# KiCad board pcb.kicad_pcb (continued)
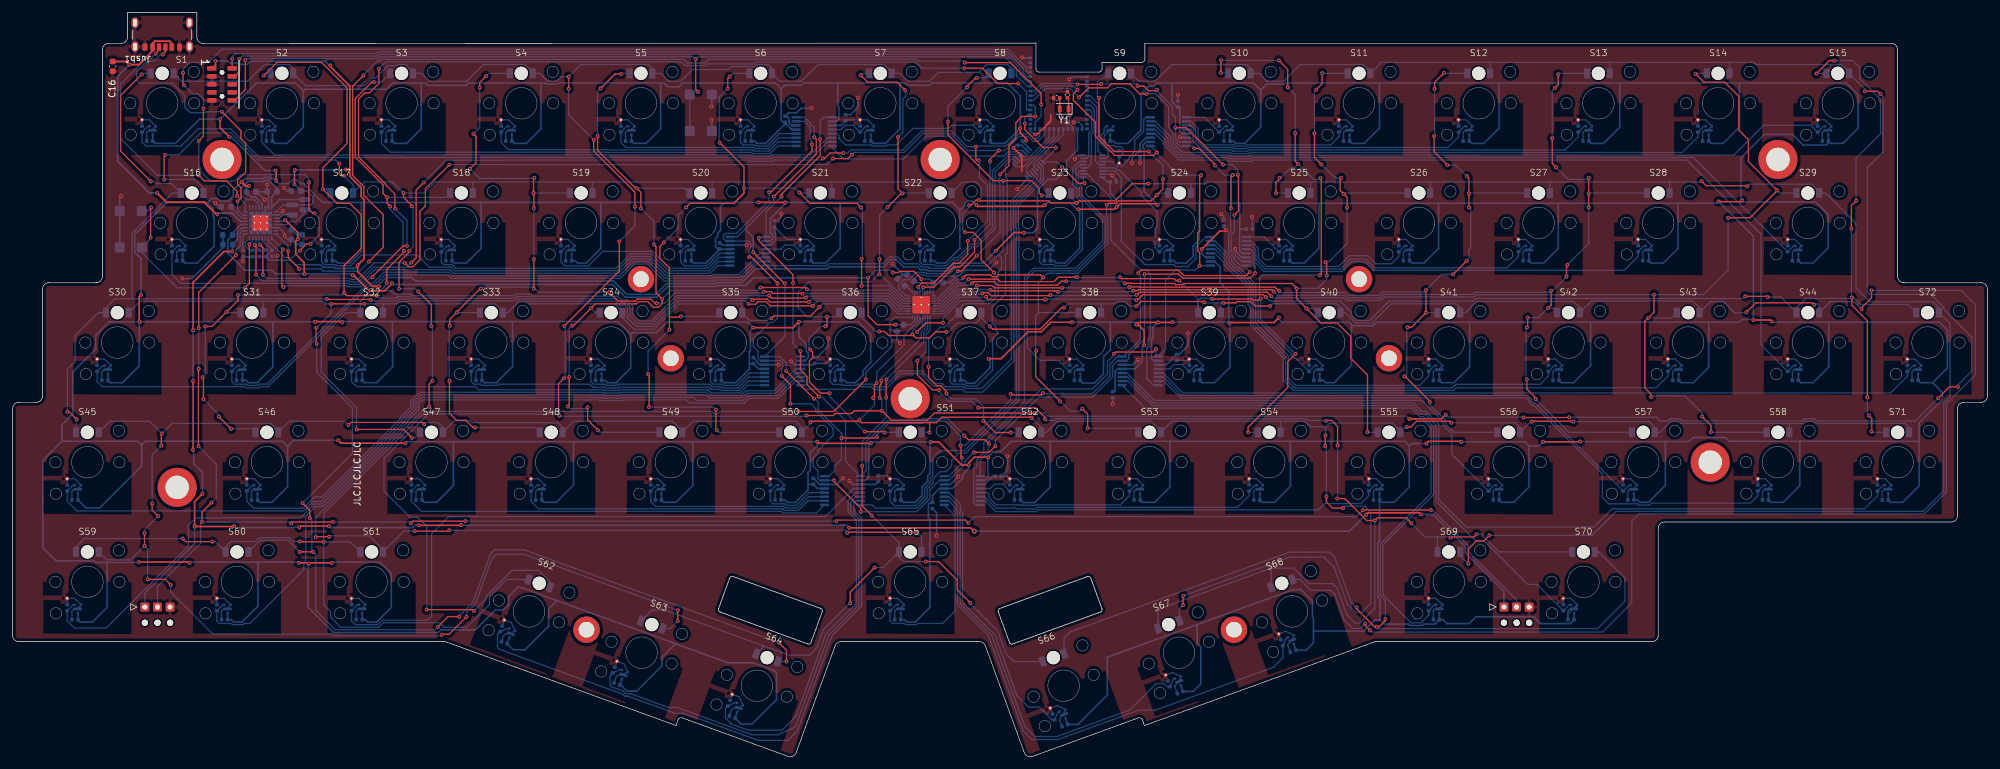
[diagram p0: board, top side]
## Routing (per net, layer and track width the routed paths; a pad name or vN(x,y) marks a point on that pad's centre or on a via; arc(x,y) is an arc through that point) (continued)
/CS7: length 197.3
  Top w0.2: v1(232.4,35.27) 231.98,34.85 228.37,34.85 v1(228.26,34.74) ; v1(222.04,37.05) 221.22,37.87 216.66,37.87 v1(216.26,37.47) 214.95,37.47 211.48,40.94 v1(210.28,40.94) ; v1(208.5,53.26) 208.59,53.35 209.38,53.35 210.34,52.39 v1(210.34,49.38) ; v1(153.3,55.37) 162.38,55.37 163.92,53.83 v1(163.92,53.58) ; v1(147.08,58.21) 146.03,58.21 143.64,60.59 v1(143.64,62.85)
  Bottom w0.2: D70.1 235.94,32.47 233.14,35.27 v1(232.4,35.27) ; v1(216.26,37.47) 216.26,23.54 213.91,21.19 213.11,21.19 211.85,22.45 211.84,22.45 210.3,26.68 209.53,27.45 205.8,27.45 203.35,29.9 199.8,29.9 ; 226.22,34.85 226.2,34.83 D69.1 ; 226.22,34.85 228.15,34.85 v1(228.26,34.74) ; 226.22,34.85 224.24,34.85 v1(222.04,37.05) ; v1(208.5,53.26) 208.41,53.35 205.56,53.35 205.29,53.62 165.71,53.62 165.44,53.35 164.15,53.35 v1(163.92,53.58) ; D68.1 199.78,29.89 199.8,29.9 ; v1(210.28,40.94) 210.34,41 v1(210.34,49.38) ; v1(153.3,55.37) 152.29,56.38 148.62,56.38 147.08,57.92 v1(147.08,58.21) ; LEDDR1.9 145.65,67.7 145.02,67.08 145.02,64.24 v1(143.64,62.85) ; 199.8,29.9 182.41,23.57 181.83,23 D67.1
/CS8: length 129.7
  Top w0.2: v1(132.98,24.31) 132.98,26.12 v1(136.85,29.99) ; v1(152.04,24.39) 149.96,26.47 149.96,27.98 147,30.94 v1(144.95,30.94) ; v1(138.72,59.87) 138.69,59.84 v1(138.69,56.96) ; v1(134.87,46.14) 134.87,39.78 v1(136.41,38.24)
  Bottom w0.2: D66.1 158.96,15.07 157.69,16.34 156.4,19.88 152.04,24.24 v1(152.04,24.39) ; v1(138.69,56.96) 138.69,53.8 134.87,49.98 v1(134.87,46.14) ; v1(138.72,59.87) 144.62,65.77 144.62,67.24 145.25,67.87 LEDDR1.10 ; v1(136.41,38.24) 140.7,33.95 D65.1 ; 119.29,17.51 123.21,16.08 126.54,16.08 127.64,17.18 128.71,20.13 132.89,24.31 v1(132.98,24.31) ; 119.29,17.51 118.08,16.3 ; 119.29,17.51 103.57,23.23 101.46,23.23 D63.1 ; v1(136.85,29.99) 138.22,29.99 D65.1 ; D65.1 140.7,31.67 141.43,30.94 v1(144.95,30.94)
/CS9: length 213.3
  Top w0.2: v1(45.59,34.13) 45.66,34.06 v1(49.39,34.06) ; v1(27,34.6) 27.49,34.1 v1(31.72,34.1) ; v1(124.73,54.78) 130.38,54.78 v1(135.45,59.85)
  Bottom w0.2: 45.66,34.1 45.63,34.13 v1(45.59,34.13) 44.48,34.13 43.89,34.72 39.11,34.72 38.52,34.13 34.69,34.13 33.83,33.27 D60.1 32.2,34.1 v1(31.72,34.1) ; v1(49.39,34.06) 53.61,34.06 D61.1 ; v1(49.39,34.06) 49.39,24.09 50.5,22.98 50.5,22.1 52.09,20.51 58.14,20.51 58.85,21.22 67.79,21.22 68.5,20.51 72.08,20.51 75.71,24.14 75.71,25.38 78.43,28.1 D62.1 ; v1(49.39,34.06) 49.39,38.61 65.56,54.78 111.02,54.78 111.37,54.42 111.92,54.42 112.28,54.78 v1(124.73,54.78) ; LEDDR1.16 140.02,69.74 139.3,69.01 139.3,66.62 139.58,66.35 139.58,65.1 135.45,60.98 v1(135.45,59.85) ; v1(27,34.6) 11.4,34.6 10.07,33.27 D59.1
/CS10: length 206.9
  Top w0.2: v1(10.16,53.53) 8.95,54.74 v1(8.7,54.74) ; v1(116.83,71.87) 116.9,71.8 117.96,71.8 118.38,72.22 119.62,72.22 120.29,71.55 v1(127.03,71.55) 126.94,71.46 ; v1(56.85,72.47) 56.75,72.57 49.92,72.57 v1(49.87,72.62) ; v1(20.49,108.3) 17.14,104.95 17.14,96.12 v1(21.94,91.32)
  Bottom w0.2: v1(127.03,71.55) 127.79,72.31 138.53,72.31 140.52,70.32 LEDDR1.17 ; 18.93,72.67 49.82,72.67 v1(49.87,72.62) ; 18.93,72.67 18.95,72.69 18.95,83.04 25.38,89.47 D16.1 25.19,90.98 22.77,90.98 22.43,91.32 v1(21.94,91.32) ; 18.93,72.67 16.22,72.67 14.82,71.27 D30.1 13.59,70.47 9.92,66.8 9.92,62.68 8.7,61.46 v1(8.7,54.74) ; v1(116.83,71.87) 116.35,72.35 105.74,72.35 105.02,71.63 101.69,68.3 98.97,68.3 97.6,69.67 97.6,71.29 97.23,71.66 96.36,71.66 95.75,72.27 82.14,72.27 81.79,72.63 80.21,72.63 79.94,72.35 63.06,72.35 62.79,72.62 61.21,72.62 60.94,72.35 56.97,72.35 v1(56.85,72.47) ; v1(20.49,108.3) 20.66,108.47 D1.1 ; D45.1 10.07,53.45 v1(10.16,53.53)
/CS11: length 203
  Top w0.2: v1(34.71,52.02) 34.68,52.02 v1(32.73,53.97) ; v1(39.87,108.11) 41.98,110.22 49.04,110.22 53.08,106.18 53.08,97.31 49.26,93.49 v1(49.26,90.08) 51.52,87.82 53.54,87.82 55.35,86.01 55.35,80.68 52.62,77.95 v1(52.62,73.61) 53.06,73.17 v1(57.79,73.17) ; v1(126.41,72.17) 120.24,72.17 119.79,72.62 117.6,72.62 v1(117.43,72.45) ; v1(30.58,68.28) 31.65,68.28 v1(33.96,70.59) 35.77,72.4 v1(35.77,73.27) ; v1(30.3,56.72) 30.3,60.08 v1(30.16,60.22)
  Bottom w0.2: v1(126.41,72.17) 126.96,72.71 138.73,72.71 ; v1(52.62,73.61) 52.28,73.27 v1(35.77,73.27) ; v1(30.3,56.72) 32.73,54.29 v1(32.73,53.97) ; v1(34.71,52.02) 38.02,52.02 D46.1 ; LEDDR1.18 140.69,70.72 138.7,72.71 ; v1(49.26,90.08) 49.84,90.08 D17.1 ; D31.1 34.08,70.47 v1(33.96,70.59) ; v1(30.58,68.28) 30.58,60.63 v1(30.16,60.22) ; v1(57.79,73.17) 58.21,72.75 60.78,72.75 61.05,73.02 62.95,73.02 63.22,72.75 79.77,72.75 80.05,73.03 81.95,73.03 82.3,72.68 95.91,72.68 96.53,72.06 97.4,72.06 98,71.45 98,69.95 99.2,68.74 101.56,68.74 105.57,72.75 117.13,72.75 v1(117.43,72.45) ; v1(39.87,108.11) 40.23,108.47 D2.1
/CS12: length 185.5
  Top w0.2: v1(57.37,107.08) 57.01,107.08 54.39,104.46 54.39,95.16 58.81,90.74 58.81,89.4 v1(59.44,88.77) 59.44,87.85 v1(59.95,87.34) ; v1(54.6,51.92) 62.07,51.92 v1(63.38,50.61) ; v1(125.93,72.87) 125.85,72.78 120.51,72.78 v1(120.11,73.19) ; v1(59.4,75.23) 59.4,77.36 62.12,80.09 v1(62.12,80.28)
  Bottom w0.2: D18.1 68.75,88.77 v1(59.44,88.77) ; v1(54.6,51.92) 54.6,55.41 49,61.01 49,66.58 52.9,70.47 D32.1 55.2,72.25 56.92,73.98 ; v1(125.93,72.87) 126.18,73.11 138.95,73.11 140.94,71.12 LEDDR1.19 ; 56.92,73.98 60.02,73.98 60.57,73.42 63.12,73.42 63.38,73.16 79.62,73.16 79.88,73.43 82.12,73.43 82.47,73.08 96.1,73.08 96.71,72.46 97.57,72.46 98.4,71.63 98.4,70.2 99.46,69.15 99.63,69.15 ; 56.92,73.98 58.43,73.98 59.4,74.94 v1(59.4,75.23) 59.4,75.22 ; v1(62.12,80.28) 61.99,80.42 61.99,84.81 59.95,86.85 v1(59.95,87.34) ; D47.1 63.84,50.61 v1(63.38,50.61) ; 99.63,69.14 101.4,69.14 105.42,73.16 120.08,73.16 v1(120.11,73.19) ; v1(57.37,107.08) 58.56,107.08 D3.1
/CS13: length 166.8
  Top w0.2: v1(74.15,106.2) 74.15,107.03 v1(75.18,108.05) ; v1(74.32,74.27) 74.19,74.27 70.53,70.6 v1(70.53,70.54) 69.39,69.4 v1(69.39,68.39) ; v1(69.35,59.62) 69.35,54.49 70.47,53.37 71.97,53.37 73.12,52.23 v1(73.43,52.23) ; v1(102.25,71.97) 101.99,71.97 101.34,72.62 99.21,72.62 98.89,72.3 96.12,72.3 v1(94.7,73.72) ; v1(72.62,93.32) 73.56,94.27 73.56,98.47 v1(73.16,98.87) ; v1(82.82,91.87) 82.82,91.64 82.69,91.51 v1(82.69,89.49) 82.75,89.43 v1(82.75,87.05) ; v1(125.41,73.49) 125.37,73.53 120.69,73.53 120.41,73.81 v1(119.25,73.81) ; v1(82.75,78.95) v1(82.75,74.27)
  Bottom w0.2: v1(102.25,71.97) 103.51,71.97 105.16,73.62 119.06,73.62 v1(119.25,73.81) ; v1(70.53,70.54) 70.6,70.47 D33.1 ; v1(82.75,78.95) v1(82.75,87.05) ; v1(75.18,108.05) 75.6,108.47 D4.1 ; D48.1 82.95,52.23 v1(73.43,52.23) ; v1(69.39,68.39) 69.3,68.3 69.3,59.68 v1(69.35,59.62) ; v1(74.15,106.2) 74.15,99.87 v1(73.16,98.87) ; v1(72.62,93.32) 74.15,91.79 82.68,91.79 82.77,91.87 v1(82.82,91.87) ; LEDDR1.20 141.1,71.52 139.09,73.53 125.45,73.53 v1(125.41,73.49) ; D19.1 82.71,89.47 v1(82.69,89.49) ; v1(94.7,73.72) 83.48,73.72 82.94,74.27 v1(82.75,74.27) 82.5,74.52 74.57,74.52 v1(74.32,74.27)
/CS14: length 142.9
  Top w0.2: v1(91.27,55.43) 91.27,53.45 v1(92.91,51.81) ; v1(88.81,68.41) 89.05,68.41 v1(91.82,71.18) 92.51,71.87 99.03,71.87 99.38,72.22 100.82,72.22 101.72,71.32 102.52,71.32 103.12,71.92 v1(103.12,72.67) 102.15,73.64 102.15,80.96 v1(101.8,81.31) ; v1(96.6,108.37) 95.63,108.37 v1(93.34,106.08) ; v1(92.86,98.52) 92.86,96.26 98.89,90.23 v1(99.08,90.23) 99.74,89.57 v1(99.74,87.04) ; v1(88.12,55.57) 88.36,55.82 v1(88.36,60.25) ; v1(126.11,74.19) 125.84,74.46 v1(118.72,74.46)
  Bottom w0.2: D34.1 92.53,70.47 v1(91.82,71.18) ; v1(118.72,74.46) 118.28,74.02 104.47,74.02 v1(103.12,72.67) ; D20.1 106.69,90.23 v1(99.08,90.23) ; v1(93.34,106.08) 92.86,105.6 v1(92.86,98.52) ; v1(126.11,74.19) 126.25,74.05 139.14,74.05 141.27,71.92 LEDDR1.21 ; v1(99.74,87.04) 101.8,84.98 v1(101.8,81.31) ; D49.1 93.25,51.47 v1(92.91,51.81) ; D5.1 96.7,108.47 v1(96.6,108.37) ; v1(91.27,55.43) 91.07,55.23 88.46,55.23 v1(88.12,55.57) ; v1(88.36,60.25) 88.36,67.96 v1(88.81,68.41)
/CS15: length 147.6
  Top w0.2: v1(101.03,55.46) 101.05,55.48 101.05,60.52 v1(100.88,60.69) ; v1(124.9,89.56) 126.64,87.82 134.04,87.82 v1(134.69,87.17) ; v1(111.65,55.07) 111.65,51.94 v1(111.78,51.8) ; 104.27,69.74 104.27,77.58 102.75,79.1 102.75,80.98 v1(103.39,81.62) ; 104.27,69.74 v1(104.27,67.75) ; 104.27,69.74 105.94,69.74 v1(106.07,69.87) ; v1(113.82,107.94) 113.53,107.65 v1(113.53,106.07) ; v1(116.11,90.24) 116.11,89.46 114.61,87.96 ; v1(116.11,90.24) 116.11,89.45 114.48,87.82 107.54,87.82 v1(106.92,87.2) ; v1(116.11,90.24) 116.11,93.6 v1(112.25,97.46) ; v1(134.78,74.75) v1(134.78,79.02)
  Bottom w0.2: v1(134.69,87.17) 134.91,86.95 134.91,79.15 v1(134.78,79.02) ; D6.1 114.35,108.47 v1(113.82,107.94) ; v1(106.07,69.87) 111.6,69.87 D35.1 ; D21.1 124.99,89.47 v1(124.9,89.56) 124.22,90.24 v1(116.11,90.24) ; v1(113.53,106.07) 112.17,104.72 112.17,97.54 v1(112.25,97.46) ; D50.1 112.11,51.47 v1(111.78,51.8) ; v1(134.78,74.75) 139.01,74.75 141.43,72.32 LEDDR1.22 ; v1(101.03,55.46) 111.25,55.46 v1(111.65,55.07) ; v1(100.88,60.69) 100.88,64.36 v1(104.27,67.75) ; v1(106.92,87.2) 105.68,85.96 105.68,83.91 v1(103.39,81.62)
/CS16: length 106.4
  Top w0.2: v1(138.91,87.23) 141.08,89.4 v1(141.28,89.4) 140.56,90.12 v1(140.56,98.34) ; v1(134.64,108.18) 135.75,107.07 140.42,107.07 v1(141.7,105.79) ; v1(129.01,68.3) 129.27,68.3 129.3,68.33 v1(129.3,69.82) ; v1(137.6,76.55) 137.63,76.58 v1(137.63,78.95) ; 129.59,57.8 v1(129.71,57.69) 128.29,57.69 126.5,59.47 126.5,62.81 127,63.32 127,64.25 v1(126.63,64.62) ; v1(135.29,51.57) 138.3,51.57 v1(138.44,51.43)
  Bottom w0.2: v1(138.44,51.43) 138.48,51.47 D51.1 ; v1(126.63,64.62) 126.42,64.83 126.42,66.35 128.38,68.3 v1(129.01,68.3) ; v1(135.29,51.57) 129.71,57.15 v1(129.71,57.69) ; v1(141.28,89.4) 141.35,89.47 D22.1 ; v1(138.91,87.23) 137.63,85.95 v1(137.63,78.95) ; D7.1 134.93,108.47 v1(134.64,108.18) ; 137.6,76.72 141.6,72.72 LEDDR1.23 ; 137.6,76.72 136.23,75.35 126.35,75.35 124.69,73.69 124.69,71.28 126.15,69.82 v1(129.3,69.82) 130.55,69.82 D36.1 ; 137.6,76.72 v1(137.6,76.55) ; v1(140.56,98.34) 141.32,99.11 141.32,104.35 141.79,104.81 141.79,105.68 141.7,105.77 v1(141.7,105.79)
/CS17: length 112.3
  Top w0.2: v1(151.52,106.27) 151.52,106.39 152.9,107.77 v1(153.06,107.77) ; v1(158.45,51.44) 156.01,51.44 154.22,53.23 v1(154.13,53.23) ; v1(148.25,57.62) 148.25,57.95 147.35,58.86 146.73,58.86 145.41,60.17 v1(145.41,61.89) ; v1(148.48,100.82) 148.48,98.69 155.75,91.42 v1(157.24,91.42) 161.77,91.42 163,90.19 163,89.46 v1(163.38,89.08)
  Bottom w0.2: D37.1 147.9,68.17 147.25,68.17 145.42,66.35 145.42,61.91 v1(145.41,61.89) 145.47,61.84 145.54,61.84 ; 150.2,70.95 151.15,71.89 155.03,71.89 156.45,73.32 156.45,76.92 157,77.47 157,79.2 156.5,79.7 ; v1(148.25,57.62) 148.25,57.54 149,56.78 152.89,56.78 154.13,55.54 v1(154.13,53.23) ; LEDDR1.24 141.86,73.12 140.67,74.31 140.67,74.9 141.47,75.69 142.25,75.69 143.42,76.86 144.98,76.86 145.17,76.67 148.75,76.67 149.98,77.9 154.7,77.9 156.5,79.7 ; v1(153.06,107.77) 154.25,107.77 D8.1 ; v1(158.45,51.44) 159.67,51.44 ; v1(157.24,91.42) 157.24,80.44 156.5,79.7 ; v1(151.52,106.27) 148.48,103.23 v1(148.48,100.82) ; 164.06,89.08 v1(163.38,89.08)
/GPIO_X: length 195.8
  Top w0.2: v1(27.22,106.57) 27.06,106.73 v1(27.06,108.55) ; v1(47.31,81.42) 46.66,81.42 45.66,80.42 v1(45.66,80.33) ; v1(47.03,91.17) 47.03,86.89 47.67,86.25 v1(47.92,86.25) ; v1(29.55,97.74) 30.28,98.47 30.28,102.86 v1(30.31,102.89)
  Bottom w0.2: v1(29.55,97.74) 29.55,93.2 31.36,91.39 35.22,91.39 36.21,92.38 46.4,92.38 47.03,91.75 v1(47.03,91.17) ; v1(45.66,80.33) 45.56,80.33 44.47,79.23 43.26,79.23 41.04,81.45 40.62,81.45 PMIC1.10 ; v1(27.06,108.55) 27.06,109.15 28.13,110.22 31.14,110.22 33.23,112.31 158.02,112.31 160.92,109.41 160.92,108.8 161.05,108.67 M1.4 ; v1(47.92,86.25) 48.68,85.5 48.68,82.79 v1(47.31,81.42) ; v1(30.31,102.89) 30.33,102.91 30.33,104.35 29.45,105.22 28.57,105.22 v1(27.22,106.57)
/INT: length 169.7
  Top w0.2: v1(43.74,80.29) 43.74,79.21 45.51,77.44 v1(45.51,77.41) ; v1(55.69,108.13) 53.99,106.43 53.99,92.26 55.75,90.51 55.75,89.1 58.83,86.02 58.83,80.83 v1(56.58,78.59) ; v1(163.28,103.53) 163.28,105.27 158.38,110.17 v1(151.17,110.17)
  Bottom w0.2: M1.17 162.3,100.72 163.28,101.7 v1(163.28,103.53) ; v1(56.58,78.59) 55.05,77.06 49.32,77.06 48.96,77.41 v1(45.51,77.41) ; v1(55.69,108.13) 55.69,108.22 57.9,110.42 58.25,110.42 58.53,110.71 106.51,110.71 107.11,110.11 109.84,110.11 110.44,110.71 143.46,110.71 143.74,110.42 151.12,110.42 151.17,110.37 v1(151.17,110.17) ; v1(43.74,80.29) 43.74,81.06 PMIC1.8
/LED_DR_EN: length 46
  Top w0.2: v1(150.06,77.07) 150.61,77.07 v1(153.03,79.5) ; v1(156.75,92.42) 158.17,93.84 158.17,97.03 159.26,98.12 159.26,100.64 160.26,101.63 v1(162.37,101.63)
  Bottom w0.2: M1.11 162.05,103.42 162.34,103.13 162.34,101.66 v1(162.37,101.63) ; LEDDR1.32 145.65,74.41 144.85,75.21 143.33,75.21 C31.1 143.08,75.73 143.81,76.46 144.81,76.46 145,76.27 149.21,76.27 149.42,76.47 149.43,76.47 150.03,77.07 v1(150.06,77.07) ; v1(153.03,79.5) 156.75,83.21 156.75,90.99 156.59,91.15 156.59,91.69 156.75,91.85 v1(156.75,92.42) ; 143.18,75.35 143.18,75.86
/LOADSW_CTRL: length 173.4
  Top w0.2: v1(159.65,106.85) 156.39,106.85 153.95,109.29 v1(151.1,109.29) ; v1(58.14,109.18) 58.14,106.86 56.66,105.38 55.9,105.38 54.92,104.4 54.92,95.2 59.21,90.91 59.21,90.78 60.69,89.3 60.69,87.06 v1(60.74,87.01) ; v1(42.99,74.52) 42.73,74.78 42.73,80.34 v1(42.91,80.51) ; v1(57.12,76.08) 57.12,76.2 62,81.08 v1(62.62,81.08)
  Bottom w0.2: v1(57.12,76.08) 56.81,76.08 55.3,74.57 53.22,74.57 53.07,74.72 43.19,74.72 v1(42.99,74.52) ; PMIC1.9 42.88,80.51 v1(42.91,80.51) ; v1(151.1,109.29) 144.3,109.29 143.32,110.28 118.01,110.28 117.7,109.97 110.27,109.97 110.01,109.71 106.76,109.71 106.17,110.3 59.26,110.3 v1(58.14,109.18) ; v1(159.65,106.85) 160.95,105.55 160.95,102.77 161.05,102.67 M1.12 ; v1(60.74,87.01) 60.74,86.99 62.6,85.12 62.6,81.1 v1(62.62,81.08)
/MUX_B_1: length 35
  Bottom w0.2: MUXB1.8 130.11,96.66 131.88,94.89 141.43,94.89 145.05,98.51 148.7,98.51 151.87,95.34 157.36,95.34 158.01,96 159.17,96 159.43,96.26 160.28,96.26 MUXA1.14
/MUX_B_2: length 54.2
  Bottom w0.2: MUXA1.11 159.22,95.2 158.36,95.2 155.96,92.79 155.96,83.8 153.1,80.94 152.29,80.94 150.12,78.76 149.64,78.76 148.39,77.52 145.52,77.52 145.33,77.71 144.3,77.71 143.78,78.23 142.88,78.23 142.87,78.22 141.56,78.22 140.47,79.31 139.22,79.31 138.14,78.23 129.54,78.23 129.23,77.92 126.74,77.92 126.71,77.95 MUXB2.8
/MUX_B_3: length 70.8
  Bottom w0.2: MUXA1.5 162.58,92.54 162.58,91.55 158.87,87.85 158.87,83.77 158.95,83.7 158.95,66.87 158.95,66.54 158.98,66.51 158.98,64.94 158.95,64.91 158.95,62.81 153.99,57.85 151.21,57.85 150.8,58.26 147.94,58.26 147.39,58.82 146.18,58.82 144.19,60.81 141.03,60.81 139.72,59.5 139.72,59.42 138.55,58.26 136.74,58.26 136.28,58.71 134.33,58.71 133.92,58.3 125.76,58.3 MUXB3.8
/MUX_B_4: length 73.5
  Bottom w0.2: MUXA1.2 163.64,93.6 163.64,91.48 159.67,87.52 159.67,84.1 159.75,84.03 159.75,66.87 159.78,66.84 159.78,64.6 159.75,64.58 159.75,56.61 152.61,49.48 152.61,49.48 151.32,48.18 150.23,48.18 149.08,47.03 149.08,46.1 148.2,45.22 147.27,45.22 146.1,44.05 146.1,43.36 145.2,42.47 145.2,41.08 143.56,39.44 136.94,39.44 136.43,39.95 MUXB4.8
/MUX_B_5: length 13.6
  Bottom w0.2: MUXB5.8 179.9,101.5 179.56,101.16 179.56,99.28 178.14,97.85 178.14,96.07 177.28,95.21 177.28,94.94 175.93,93.59 175.43,93.59 174.55,94.47 MUXA2.11
/MUX_B_6: length 32.4
  Bottom w0.2: MUXB6.8 189.4,82.5 187.84,80.94 187.84,79.04 186.59,77.79 184.65,77.79 184.33,78.11 179.74,78.11 175.99,81.86 175.99,91.9 174.92,92.97 MUXA2.14
/MUX_B_7: length 40.2
  Bottom w0.2: MUXA2.2 170.62,92.47 174.33,88.77 174.33,82.01 179.11,77.23 179.97,77.23 180.62,76.58 180.62,66.65 180.26,66.29 180.26,65.01 180.06,64.81 180.06,60.01 181.13,58.95 MUXB7.8
/MUX_B_8: length 69.9
  Bottom w0.2: MUXB8.8 152.88,39.95 152.57,40.25 152.57,45.6 153.1,46.13 153.1,47.15 154.18,48.23 154.18,49.83 160.64,56.29 160.64,76.07 160.66,76.09 160.66,76.09 162.09,77.52 165.35,77.52 165.36,77.52 167.58,77.52 167.59,77.52 168.76,77.52 173.06,81.82 173.06,85.23 169.35,88.94 169.35,90.35 168.77,90.93 168.77,93.31 169.44,93.97 MUXA2.5
/MUXA_SEL: length 21.4
  Top w0.2: v1(166.64,93.56) 169.18,91.03 v1(170.16,91.03) ; v1(165.63,96.69) 163.58,96.69 160.69,99.58 v1(160.69,100.51)
  Bottom w0.2: v1(166.64,93.56) 165.8,94.4 MUXA1.1 165.63,96.48 v1(165.63,96.69) 165.76,96.69 ; M1.13 161.18,101.92 160.69,101.44 v1(160.69,100.51) ; v1(170.16,91.03) 170,91.18 MUXA2.1
/MUXB_SEL_0: length 215.1
  Top w0.2: v1(155.01,49.64) 154.35,50.3 151.7,50.3 v1(151.08,50.93) ; v1(181.51,64.7) 181.03,64.22 175.1,64.22 v1(174.81,63.93) ; v1(125.07,64.37) 125.07,61.38 126.1,60.36 126.1,59.05 v1(128.01,57.14) ; v1(123.9,75.18) 123.9,76.47 118.45,81.92 v1(118.45,82.33) ; v1(188.67,92.3) 188.45,92.08 188.45,83.43 188.13,83.11 188.13,80.29 188.45,79.97 v1(188.45,77.92) ; v1(122.05,88.91) 122.05,89.25 128.19,95.39 v1(128.19,97.98) ; v1(181.64,95.93) 181.15,95.45 174.95,95.45 171.89,98.51 171.89,100.71 168.39,104.21 168.39,105.21 v1(169.04,105.86)
  Bottom w0.2: v1(151.08,50.93) 151.08,51.01 148.46,53.62 144.54,53.62 144.19,53.27 138.87,53.27 135.47,49.88 135.47,45.36 MUXB4.1 132.22,46.89 132.22,53.35 128.42,57.14 v1(128.01,57.14) ; v1(188.67,92.3) 185.05,92.3 181.64,95.71 v1(181.64,95.93) 181.64,95.95 MUXB5.1 ; v1(123.9,75.18) 123.9,65.54 v1(125.07,64.37) 125.11,64.33 MUXB3.1 ; M1.9 162.05,104.92 163.59,106.46 168.44,106.46 v1(169.04,105.86) ; v1(181.51,64.7) 181.51,63.85 MUXB7.1 183.04,64.68 183.04,75.66 184.62,77.24 187.77,77.24 v1(188.45,77.92) 188.48,77.95 MUXB6.1 ; v1(118.45,82.33) 118.62,82.5 MUXB2.1 119.61,86.48 v1(122.05,88.91) ; MUXB1.1 128.8,101.5 128.19,100.89 v1(128.19,97.98) ; v1(174.81,63.93) 174.81,63.72 173.8,62.72 173.8,60.75 171.41,58.35 163.3,58.35 155.01,50.07 v1(155.01,49.64) 154.91,49.54 154.91,48.39 153.61,47.09 MUXB8.1
/MUXB_SEL_1: length 237.7
  Top w0.2: v1(178.69,76.75) 179.17,77.23 185.04,77.23 185.91,76.36 195.83,76.36 v1(196.41,76.94) ; v1(193.41,87.07) 193.41,92.03 v1(193.69,92.31) ; 122.45,75.1 v1(122.61,75.1) 122.54,75.1 v1(117.58,80.06) ; v1(131.57,50.57) 137.08,50.57 137.19,50.68 v1(137.19,50.7) ; v1(150.47,49.38) 150.55,49.3 150.55,47.57 v1(150.67,47.45) ; v1(127.25,98.33) 127.59,97.99 127.59,95.65 v1(120.82,88.88) ; v1(187.59,96.56) 188.32,96.56 190.87,94.01 v1(190.87,93.84) ; v1(158.44,57.55) 158.59,57.4 163.26,57.4 v1(163.56,57.7) ; v1(180.01,105.22) 178.93,105.22 177.33,106.82 174.47,106.82 173.81,106.17 170.83,106.17 v1(169.32,104.66) ; v1(122.81,61.22) v1(127.23,56.8)
  Bottom w0.2: v1(163.56,57.7) 163.67,57.59 171.4,57.59 174.2,60.4 174.2,62.3 175.4,63.5 MUXB7.16 176.32,63.5 179.03,66.21 179.03,76.41 v1(178.69,76.75) ; M1.10 162.05,104.17 163.94,106.06 167.92,106.06 v1(169.32,104.66) ; 117.58,82.23 v1(117.58,80.06) 117.58,82.42 116.27,83.73 ; v1(127.25,98.33) 127.25,99.9 125.66,101.5 MUXB1.16 ; v1(180.01,105.22) 181.45,105.22 183.52,103.15 183.52,99.88 184.21,99.19 184.21,97.98 185.24,96.95 MUXB5.16 187.21,96.95 v1(187.59,96.56) ; MUXB4.16 129.62,44.5 130.48,45.35 130.48,46.09 131.57,47.18 v1(131.57,50.57) 131.64,50.63 131.64,51.27 127.89,55.02 127.89,56.27 127.36,56.8 v1(127.23,56.8) ; 116.27,83.73 115.03,82.5 MUXB2.16 ; 116.27,83.73 120.82,88.28 v1(120.82,88.88) ; v1(196.41,76.94) 195.86,77.49 MUXB6.16 194.9,77.95 193.93,78.92 193.93,79.24 193.05,80.12 193.05,83 193.36,83.31 193.36,87.02 v1(193.41,87.07) ; v1(150.67,47.45) 150.67,46.54 148.62,44.5 MUXB8.16 ; v1(137.19,50.7) 137.19,51.03 139.03,52.87 144.36,52.87 144.71,53.22 148.12,53.22 150.47,50.88 v1(150.47,49.38) 151.21,49.38 158.44,56.61 v1(158.44,57.55) ; v1(122.81,61.22) 122.81,62.45 121.77,63.5 MUXB3.16 122.61,66.72 v1(122.61,75.1) ; v1(193.69,92.31) 192.4,92.31 v1(190.87,93.84)
/MUXB_SEL_2: length 246.2
  Top w0.2: 121.35,75.03 v1(121.44,75.12) 117.13,79.43 117.07,79.43 v1(116.91,79.27) ; v1(179.7,76.58) 185.12,76.58 185.74,75.96 196.48,75.96 v1(197.25,76.73) ; v1(181.64,105.85) 181.52,105.72 180.35,105.72 179.6,106.47 178.85,106.47 ; v1(134.65,38.86) 134.65,39.42 130.4,43.67 v1(130.4,43.87) ; v1(172.81,106.79) 172.74,106.72 v1(169.05,106.72) ; v1(152.59,48.29) 155.02,48.29 v1(156.01,49.28) ; v1(194.5,92.38) 194.6,92.28 194.6,86.62 v1(193.96,85.98) ; v1(122.1,60.42) 123.48,59.04 v1(123.48,56) ; v1(120.08,89.59) 120.35,89.59 126.9,96.14 v1(126.9,97.19) ; 192.07,94.2 192.16,94.11 v1(192.16,93.98) 186.28,99.85 v1(184.61,99.85)
  Bottom w0.2: v1(123.48,56) 126.73,56 127.49,55.24 127.49,54.85 130.28,52.07 130.28,51 127.85,48.57 127.85,48.12 127.07,47.35 127.07,46.1 127.85,45.33 127.85,44.15 128.15,43.85 MUXB4.15 130.38,43.85 v1(130.4,43.87) ; v1(179.7,76.58) 179.7,66.29 177.18,63.77 177.18,63.15 176.87,62.85 MUXB7.15 175.4,62.85 174.6,62.05 174.6,60.23 171.42,57.05 162.92,57.05 156.01,50.14 v1(156.01,49.28) ; v1(120.08,89.59) 120.08,88.24 114.89,83.05 113.13,83.05 112.85,82.77 112.85,82.23 113.23,81.85 MUXB2.15 116.77,81.85 117.18,81.43 117.18,80.71 116.91,80.44 v1(116.91,79.27) ; v1(197.25,76.73) 197.25,77.87 196.52,78.6 MUXB6.15 195.14,78.6 193.45,80.28 193.45,82.84 193.96,83.35 v1(193.96,85.98) ; v1(192.16,93.98) 193.63,93.98 194.5,93.1 v1(194.5,92.38) ; v1(122.1,60.42) 122.1,61.52 122.24,61.66 122.24,62.46 121.85,62.85 MUXB3.15 118.69,62.85 118.35,63.19 118.35,64.33 117.57,65.1 117.57,66.35 118.45,67.22 118.5,67.22 120.19,68.91 120.74,68.91 121.44,69.61 v1(121.44,75.12) ; v1(134.65,38.86) 143.55,38.86 145.6,40.91 145.6,42.3 147.15,43.85 MUXB8.15 148.62,43.85 151.13,46.35 151.13,46.83 v1(152.59,48.29) ; MUXB1.15 125.74,100.85 126.6,99.99 126.6,98.06 126.9,97.76 v1(126.9,97.19) ; M1.8 162.17,105.67 163.36,106.86 168.91,106.86 v1(169.05,106.72) ; v1(172.81,106.79) 172.84,106.82 178.49,106.82 178.85,106.47 ; v1(181.64,105.85) 181.64,105.69 184.13,103.19 184.13,101.94 184.61,101.46 v1(184.61,99.85) 184.61,98.14 185.15,97.6 MUXB5.15